# KiCad board panel.kicad_pcb (continued)
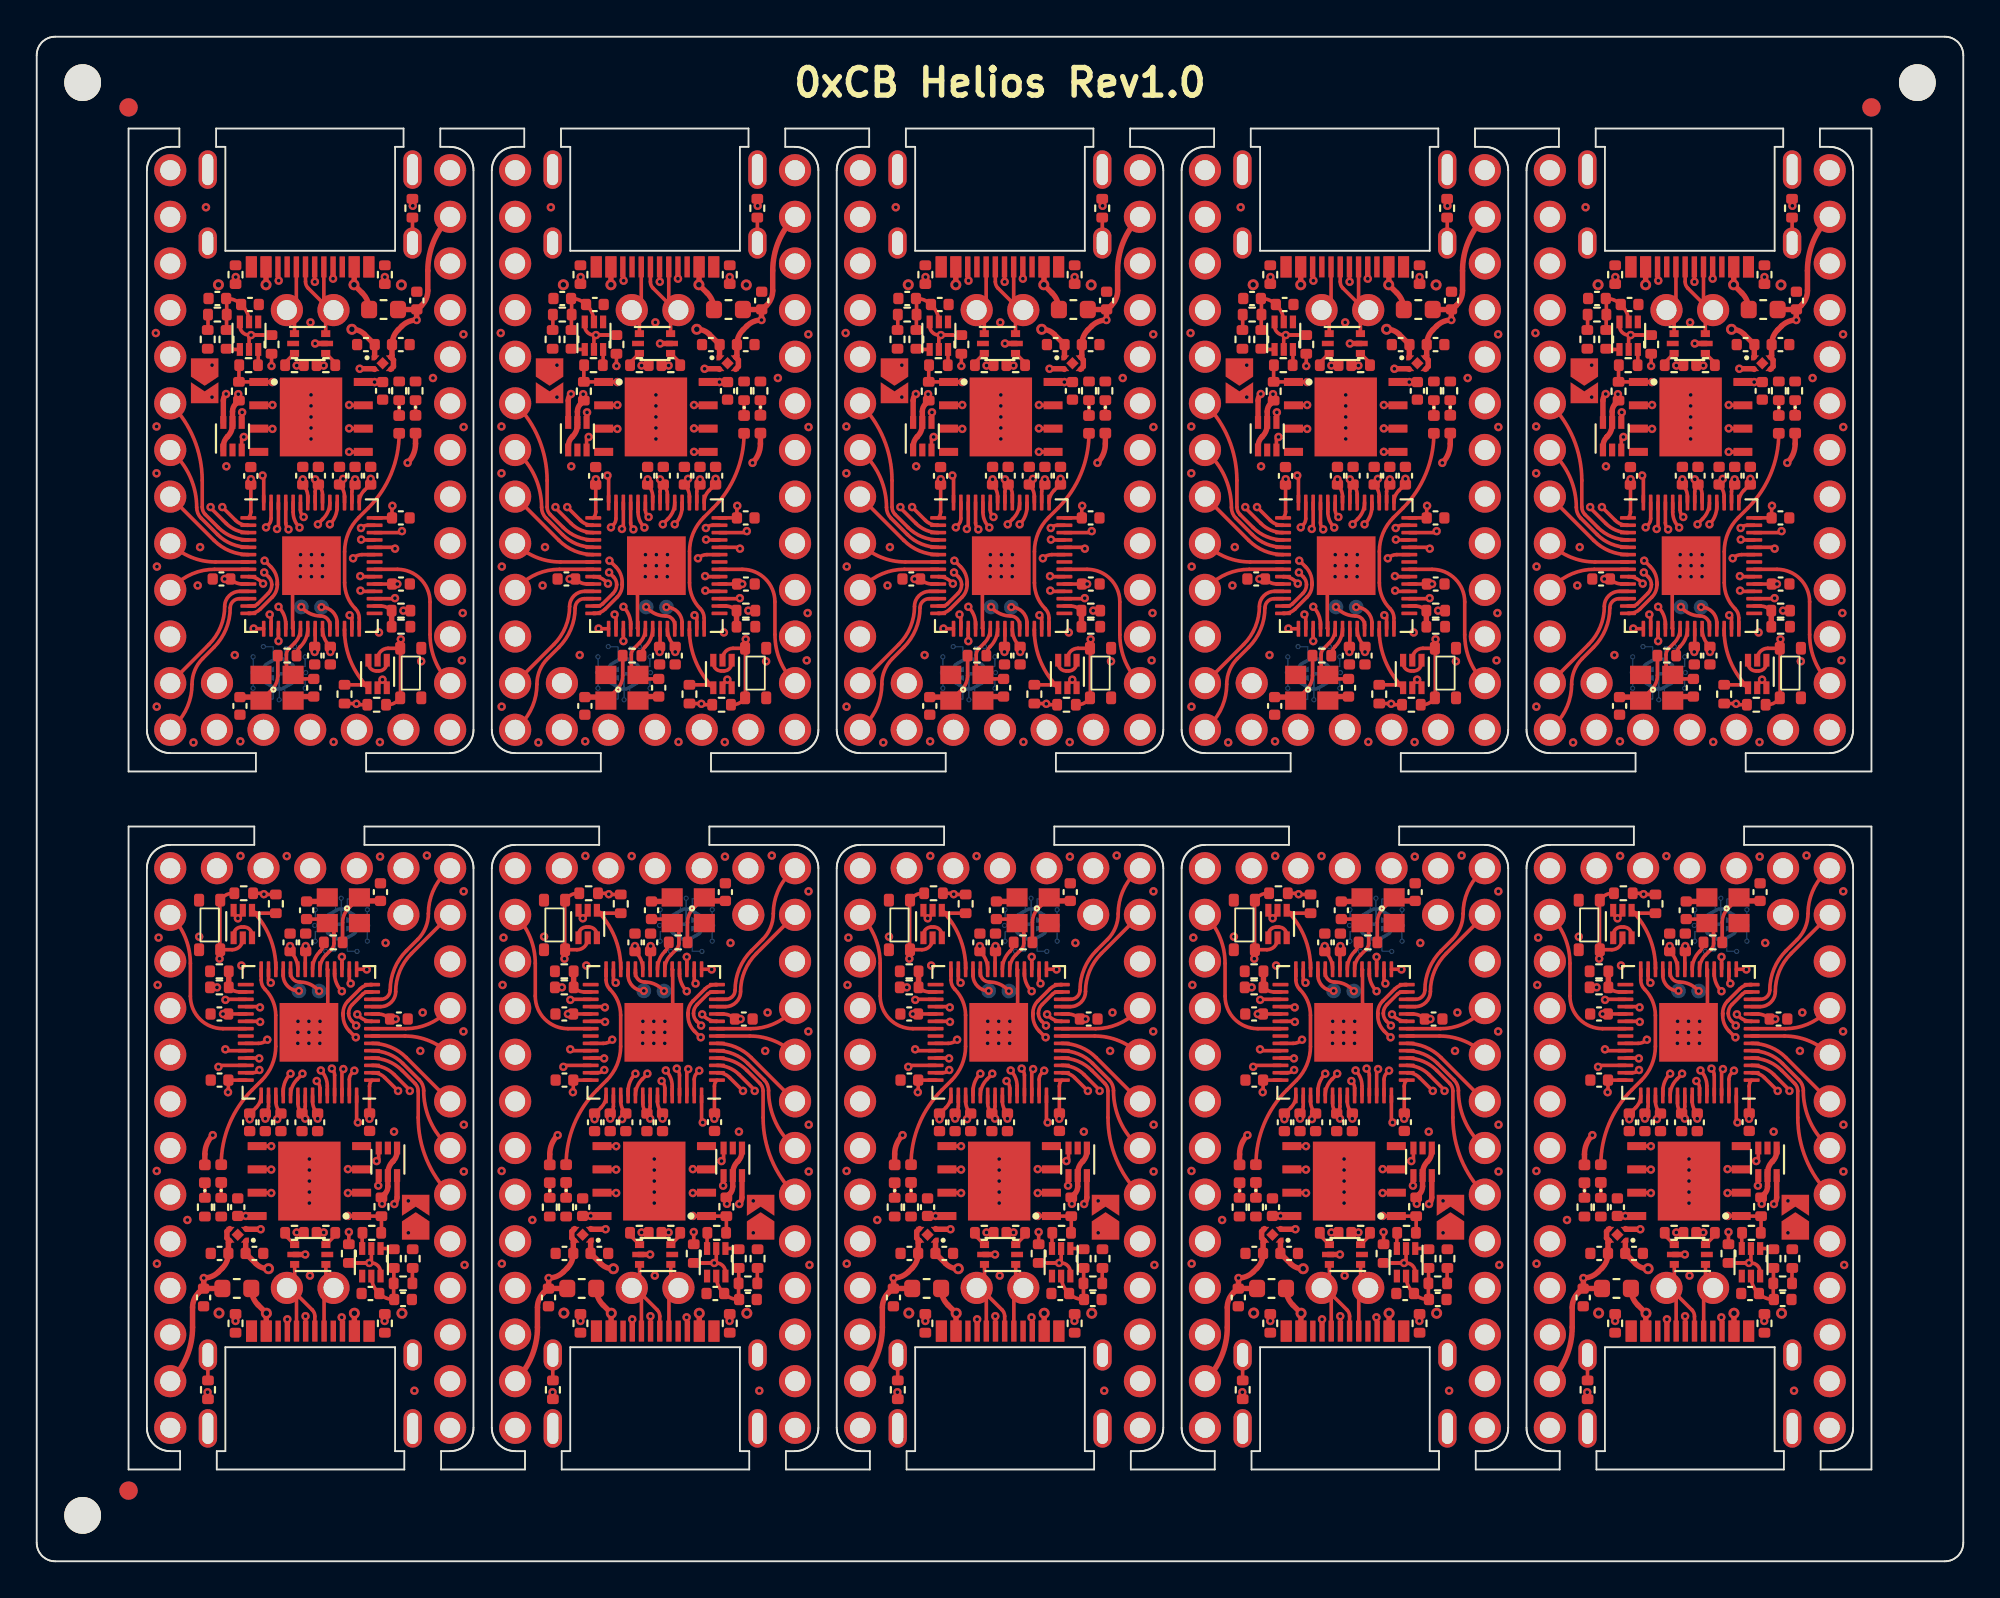
[diagram p0: board, top side]
## Routing (per net, layer and track width the routed paths; a pad name or vN(x,y) marks a point on that pad's centre or on a via; arc(x,y) is an arc through that point) (continued)
Board_6-/RGB_DO: length 15.4
  Top w0.2: U5#10.3 37.4,21.92 v1(37.28,21.8) ; U4#10.37 30.85,28.21 arc(31.11,28.26) v1(31.34,28.41)
  In1.Cu w0.2: v1(37.28,21.8) 38.08,21.8 arc(38.73,22.07) 39.01,22.73 arc(38.86,23.46) 38.44,24.08 37.67,24.86 arc(37.23,25.51) 37.08,26.28 37.08,26.79 arc(36.89,27.25) 36.44,27.44 33.2,27.44 arc(32.38,27.6) 31.68,28.06 v1(31.34,28.41)
Board_6-/RST: length 4.9
  Top w0.2: U4#10.26 31.8,32.32 arc(31.46,34.02) Q1#3.4 30.51,35.45 arc(30.68,35.34) 30.87,35.3 R3#8.2
Board_6-/SWD_CLK: length 2.2
  Top w0.2: v1(34.16,31.06) 34.06,31.15 arc(33.62,31.45) 33.1,31.55 arc(32.75,31.7) 32.6,32.05 U4#10.24
Board_6-/SWD_IO: length 1.7
  Top w0.2: U4#10.25 32.2,31.92 arc(32.45,31.32) v1(33.05,31.07)
Board_6-/USB+: length 0.9
  Top w0.2: R12#2.1 35.03,17.76 U1#10.3
Board_6-/USB-: length 0.9
  Top w0.2: U1#10.4 32.3,17.77 R13#6.1
Board_6-GND: length 7.7
  Top w0.2: U4#10.19 34.63,32.22 34.63,29.84 v1(33.6,28.81) ; Q1#3.3 30.5,34.12 arc(30.37,34.42) 30.07,34.54 29.93,34.54 arc(29.63,34.42) 29.5,34.12 Q1#3.1
  Top w0.3: U2.2 30.2,18.09 v1(30.98,18.09) ; C7#5.1 34.38,35.94 Y1#4.2
  vias: v1(25.31,21.26) v1(25.33,16.21) v1(25.41,33.97) v1(25.37,31.39) v1(26.98,18.59) v1(27.62,34.02) v1(28.09,9.21) v1(29.88,38.42) v1(29.92,32.45) v1(32.4,38.41) v1(33.01,29.41) v1(33,28.81) v1(32.99,28.21) v1(33.6,29.41) v1(33.6,28.21) v1(33.62,21.91) v1(33.62,21.31) v1(33.62,20.71) v1(33.62,20.11) v1(33.62,19.51) v1(33.66,15.56) v1(34.2,29.41) v1(34.2,28.81) v1(34.2,28.21) v1(37.48,38.38) v1(37.77,33.68) v1(39.34,9.29) v1(39.66,27.8) v1(39.8,29.89) v1(40.02,38.44) v1(42.02,36.49) v1(42.02,28.86) v1(42.03,23.78) v1(42.03,21.23) v1(42.08,16.14) v2(28.7,13.52) v2(38.66,13.51)
Board_6-Net-(C1-Pad1): length 3.7
  Top w0.2: 38.23,15.98 38.23,15.15 R5#8.1 38.22,14.29 38.24,14.26 38.21,14.26 arc(37.79,14.34) C2#8.1 37.37,14.65 arc(37.1,15.05) Q2.5
Board_6-Net-(C7-Pad2): length 4.1
  Top w0.2: C7#5.2 34.38,34.98 Y1#4.3 34.82,34.54 arc(34.93,34.38) 34.97,34.19 34.97,33.66 arc(34.93,33.48) 34.83,33.33 34.52,33.02 arc(34.28,32.67) U4#10.20
Board_6-Net-(C8-Pad2): length 4
  Top w0.2: Y1#4.1 35.75,35.56 arc(35.52,35.21) 35.44,34.8 35.44,33.71
  Top w0.3: C8#4.2 36.54,35.97 Y1#4.1
Board_6-Net-(D1-Pad1): length 0.8
  Top w0.2: D1#3.1 R10#7.1
Board_6-Net-(D1-Pad2): length 24.6
  Top w0.2: v1(39.02,19.63) 39.25,19.63 JP1#9.2
  Top w0.3: D1#3.2 27.94,22.17 arc(28.05,22.73) v1(28.37,23.21)
  In1.Cu w0.2: v1(28.37,23.21) 28.39,23.21 31.23,26.05 arc(31.59,26.92) 31.23,27.79 30.99,28.03 arc(30.85,28.39) 30.99,28.74 31.01,28.76 arc(31.36,28.9) 31.72,28.76 32.43,28.05 arc(32.77,27.82) 33.18,27.74 36.46,27.74 arc(37.11,27.46) 37.38,26.81 37.38,26.42 arc(37.54,25.63) 37.99,24.96 38.74,24.21 arc(39.16,23.58) 39.3,22.84 39.3,20.33 arc(39.23,19.95) v1(39.02,19.63)
Board_6-Net-(D2-Pad1): length 0.8
  Top w0.2: D2#3.1 R15.1
Board_6-Net-(FB1-Pad1): length 1.4
  Top w0.2: FB1.1 28.1,9.86 J1#7.S1
Board_6-Net-(J1-PadA5): length 4
  Top w0.2: R7#2.2 v1(29.6,13.09) ; J1#7.A5 v1(32.42,13.18)
  In1.Cu w0.2: v1(29.6,13.09) 29.71,12.99 32.23,12.99 v1(32.42,13.18)
Board_6-Net-(J1-PadB5): length 3.7
  Top w0.2: v1(37.73,13.09) 37.73,13.1 R8#5.2 ; J1#7.B5 35.42,13.25 v1(35.39,13.29)
  In1.Cu w0.2: v1(37.73,13.09) 37.62,12.99 35.69,12.99 v1(35.39,13.29)
Board_6-Net-(Q1-Pad5): length 28.5
  Top w0.2: Q2.6 37.5,15.75 arc(37.35,16.1) 37,16.25 36.25,16.25 ; Q1#3.5 30,35.29 v1(29.73,35.02) 29.5,35.26 Q1#3.6 ; Q2.2 37,16.36 v1(36.89,16.25) 36.25,16.25 ; R2#2.2 36.25,16.25
  In2.Cu w0.2: v1(36.89,16.25) 37.01,16.37 arc(37.12,16.54) 37.16,16.73 37.16,18.81 arc(37.12,19) 37.01,19.16 36.98,19.2 arc(36.85,19.4) 36.8,19.63 36.8,22.2 arc(36.88,22.59) 37.1,22.92 arc(37.37,23.32) 37.46,23.79 37.46,24.77 arc(37.23,25.92) 36.58,26.89 35.33,28.14 arc(35,28.64) 34.88,29.22 34.88,31.62 arc(33.89,34.02) 31.48,35.02 29.74,35.02 v1(29.73,35.02)
Board_6-Net-(Q2-Pad1): length 0.7
  Top w0.2: Q2.1 38.19,17.04 R4#9.1
Board_6-Net-(R5-Pad2): length 0.8
  Top w0.2: 39.25,15.98 39.23,15.96 R5#8.2
Board_6-Net-(R14-Pad2): length 1.6
  Top w0.2: R14.2 arc(34.36,33.45) 34.22,33.23 34.2,33.21 arc(33.9,32.77) U4#10.21
Board_6-VBUS: length 28.7
  Top w0.2: v1(28.59,31.26) R16#7.1
  Top w0.3: J1#7.A4 31.27,13.5 v2(31.28,13.51) 30.84,13.96 arc(30.56,14.37) F1#10.1 ; v2(36.08,13.51) 36.08,12.54
  In2.Cu w0.2: v2(31.28,13.51) arc(28.77,17.27) 27.89,21.7 27.89,29.56 arc(28.07,30.48) v1(28.59,31.26)
  In2.Cu w0.3: v2(36.08,13.51) arc(35.81,12.86) 35.16,12.59 32.2,12.59 arc(31.55,12.86) v2(31.28,13.51)
Board_7-+1V1: length 15.6
  Top w0.2: v1(51.36,33.51) C19.1 51.39,33.2 arc(51.68,32.76) U4#3.23 ; U4#3.50 52.58,25.05 arc(52.65,24.69) C17#8.1 v1(52.86,24.11) ; U4#3.45 50.58,25.05 arc(50.65,24.69) C10.2
  In2.Cu w0.2: 51.78,25.19 v1(52.86,24.11) ; 51.78,25.19 51.75,25.19 v1(50.66,24.09) ; 51.78,25.19 51.36,25.61 arc(50.99,26.16) 50.86,26.82 50.86,32.3 arc(50.98,32.96) v1(51.36,33.51)
Board_7-+3V3: length 20.9
  Top w0.2: R3.1 49.94,36.32 v1(49.93,36.34) 49.88,36.39 R1#4.1 ; U4#3.22 52.18,33.21 C11#8.1 ; U4#3.49 52.18,24.77 arc(52.14,24.58) 52.03,24.42 C14#6.1 ; v1(52.18,24.11) 52,24.29 C14#6.1 ; U3#10.8 48.95,18.81 v1(48.95,18.81) C6#2.1 ; C14#6.1 arc(51.84,24.64) 51.78,24.93 U4#3.48 ; U4#3.44 50.18,24.77 arc(50.14,24.58) 50.03,24.42 C9#8.2 v1(50,24.11) ; 48.97,26.21 C13#5.1 47.99,25.57 v1(47.98,25.55) ; v1(49.16,24.08) 49.16,24.36 49.51,24.71 arc(49.71,25.01) U4#3.43 ; 55.68,24.69 55.68,25.88 arc(55.72,26.06) U4#3.1 ; v1(55.67,24.1) 55.69,24.11 C16#3.1 ; v1(57.11,29.54) C15#6.1 arc(56.5,29.74) 56.14,29.81 U4#3.10 ; v1(47.7,29.81) C12#4.1 48.97,29.81 ; R11#6.1 56.33,19.51 v1(56.36,19.47) ; R2#5.1 v1(54.56,17.94)
  Top w0.3: C5#10.1 49.49,16.21 arc(49.81,16) 50.17,15.93 ; U2#4.1 48.94,16.78 ; R11#6.1 56.51,20 arc(56.63,20.19) 56.68,20.42 U5#5.5 56.68,21.13 arc(56.75,21.48) 56.95,21.78 56.96,21.79 arc(57.12,22.03) 57.18,22.32 U5#5.1
  vias: v1(52.2,33.51) v1(57.02,23.4) v1(57.8,17.89) v2(50.18,15.94)
Board_7-+5V: length 25.3
  Top w0.3: 46.66,14.86 C3#10.1 46.59,14.85 46.38,14.63 arc(46.13,14.26) 46.05,13.83 46.05,12.74 arc(45.73,11.16) J2#10.30 ; 46.66,14.86 F1#9.2 ; 46.66,14.86 v1(46.66,15.43) arc(47.09,15.52) 47.46,15.76 47.66,15.97 arc(47.91,16.34) C4#5.1 47.99,17.38 U2#4.4 47.92,17.6 47.92,17.97 U2#4.3 ; v1(57.03,19.46) 57.03,19.46 arc(57.14,19.63) 57.18,19.82 U5#5.6 ; U1#6.5 v1(52.18,16.71)
  In1.Cu w0.3: v1(46.66,15.43) arc(48.16,16.44) 49.94,16.79 52.1,16.79 v1(52.18,16.71) 52.25,16.79 54.35,16.79 arc(56.25,17.57) v1(57.03,19.46)
Board_7-/0_TX0: length 18.4
  Top w0.2: v1(57.23,25.62) 56.51,26.34 arc(56.22,26.54) 55.87,26.61 U4#3.2
  In1.Cu w0.2: J2#10.2 60.07,10.38 arc(60.03,10.57) 59.92,10.73 59.89,10.77 arc(59,12.1) 58.69,13.68 58.69,22.91 arc(58.5,23.82) 57.99,24.59 57.43,25.15 arc(57.29,25.37) v1(57.23,25.62)
Board_7-/1_RX0: length 16.4
  Top w0.2: v1(57.88,25.62) 57.88,25.66 57.03,26.51 arc(56.47,26.88) U4#3.3
  In1.Cu w0.2: v1(57.88,25.62) 57.88,25.6 arc(57.96,25.16) 58.21,24.8 arc(58.78,23.93) 58.98,22.92 58.98,14.97 arc(59.27,13.55) J2#10.3
Board_7-/2_SDA1: length 9.4
  Top w0.2: U4#3.4 arc(56.7,27.23) 57.45,26.73 58.16,26.03 arc(58.29,25.84) 58.33,25.61 58.33,24.17 arc(58.78,21.9) J2#10.6
Board_7-/3_SCL1: length 7.3
  Top w0.2: J2#10.7 59.82,22.76 arc(58.94,24.08) 58.63,25.64 arc(58.57,25.95) 58.39,26.22 57.49,27.12 arc(56.72,27.63) U4#3.5
Board_7-/4: length 5.4
  Top w0.2: J2#10.8 57.68,27.44 arc(56.83,28.01) U4#3.6
Board_7-/5: length 4.5
  Top w0.2: U4#3.7 57.61,28.61 arc(58.94,28.34) J2#10.9
Board_7-/6: length 4.6
  Top w0.2: J2#10.10 59.86,29.92 arc(58.85,29.25) 57.66,29.01 U4#3.8
Board_7-/7: length 6.9
  Top w0.2: v1(55.02,29.79) 55.12,29.69 arc(55.42,29.48) 55.78,29.41 U4#3.9
  In2.Cu w0.2: v1(55.02,29.79) 56.36,31.13 arc(58.06,32.27) J2#10.11
Board_7-/8: length 7
  Top w0.2: J2#10.12 57.96,33.1 arc(57.33,32.15) 57.11,31.03 arc(56.86,30.45) 56.28,30.21 U4#3.11
Board_7-/9: length 8.9
  Top w0.2: U4#3.12 56.31,30.61 arc(56.66,30.76) 56.81,31.11 arc(57.04,32.27) 57.7,33.26 58.3,33.87 arc(58.73,34.51) 58.89,35.27 arc(59.12,36.47) 59.8,37.48 J2#10.13
Board_7-/10: length 26.5
  Top w0.2: U4#3.13 55.59,31.01 arc(55.44,30.98) 55.31,30.89 54.74,30.32 arc(54.59,30.1) 54.54,29.84 arc(54.59,29.61) 54.72,29.42 v1(54.95,29.18)
  In2.Cu w0.2: v1(54.95,29.18) 54.99,29.18 58.27,25.9 arc(58.68,25.28) 58.83,24.56 58.83,10.28 arc(59.15,8.65) J2#10.1
Board_7-/11: length 38
  Top w0.2: v1(54.94,28.54) 54.92,28.54 54.6,28.87 arc(54.33,29.26) 54.24,29.73 54.24,29.86 arc(54.31,30.22) 54.52,30.53 55.17,31.18 arc(55.43,31.35) 55.73,31.41 U4#3.14
  In1.Cu w0.2: v1(54.94,28.54) 54.94,28.35 arc(55.03,28.13) 55.25,28.04 arc(56.11,27.68) 56.46,26.82 56.46,26.59 arc(56.63,25.76) 57.1,25.06 57.76,24.4 arc(58.22,23.7) 58.39,22.88 58.39,14.39 arc(57.83,13.06) 56.5,12.51 47.22,12.51 arc(46.39,12.17) 46.05,11.33 46.05,10.2 arc(45.73,8.62) J2#10.31
Board_7-/12: length 6.6
  Top w0.2: v1(55.53,32.23) 55.52,32.25 U4#3.15
  In1.Cu w0.2: v1(55.53,32.23) 55.53,32.92 arc(56.05,35.53) J2#10.14
Board_7-/13: length 7.2
  Top w0.2: v1(54.66,31.47) 54.58,31.55 U4#3.16
  In1.Cu w0.2: J2#10.15 54.99,32.28 arc(54.9,31.84) v1(54.66,31.47)
Board_7-/14: length 6
  Top w0.2: U4#3.17 54.18,32.92 v1(54.17,32.92)
  In1.Cu w0.2: v1(54.17,32.92) 54.17,33.59 arc(53.73,35.84) J2#10.16
Board_7-/15: length 9.5
  Top w0.2: U4#3.18 53.78,32 arc(53.88,31.49) v1(54.17,31.05)
  In1.Cu w0.2: J2#10.17 52.45,35.21 arc(53.28,33.96) 53.58,32.5 arc(53.73,31.71) v1(54.17,31.05)
Board_7-/16: length 7.9
  Top w0.2: v1(50.31,31.51) 50.18,31.64 U4#3.27
  In1.Cu w0.2: J2#10.18 47.97,37.15 arc(49.7,34.56) v1(50.31,31.51)
Board_7-/20_SDI: length 4.9
  Top w0.2: v1(47.84,30.58) 47.87,30.61 U4#3.31
  In1.Cu w0.2: J2#10.21 46.27,31.23 arc(46.99,30.75) v1(47.84,30.58)
Board_7-/21_CS: length 10.1
  Top w0.2: v1(49.72,30.17) 49.67,30.21 U4#3.32
  In1.Cu w0.2: J2#10.19 47.73,34.85 arc(49.03,33.02) 49.66,30.88 49.66,30.22 v1(49.72,30.17)
Board_7-/22_SCK: length 5.9
  Top w0.2: U4#3.34 49.69,29.41 v1(49.72,29.38)
  In1.Cu w0.2: v1(49.72,29.38) 49.68,29.34 46.75,29.34 arc(45.71,29.54) J2#10.22
Board_7-/23_SDO: length 8.7
  Top w0.2: U4#3.35 47.7,29.01 arc(46.45,29.53) 45.92,30.79 45.92,32.57 arc(45.64,34) J2#10.20
Board_7-/A0: length 4.2
  Top w0.2: U4#3.38 47.91,27.81 v1(47.83,27.89)
  In1.Cu w0.2: v1(47.83,27.89) 45.54,27.89 arc(45.16,27.81) J2#10.23
Board_7-/A1: length 6.5
  Top w0.2: U4#3.39 49.66,27.41 v1(49.67,27.39)
  In1.Cu w0.2: v1(49.67,27.39) 49.65,27.41 47.56,27.41 arc(47.22,27.34) 46.93,27.15 J2#10.24
Board_7-/A2: length 6.8
  Top w0.2: v1(47.45,26.93) 47.53,27.01 U4#3.40
  In1.Cu w0.2: J2#10.25 46.19,23.87 arc(47.13,25.27) v1(47.45,26.93)
Board_7-/A3: length 9.4
  Top w0.2: v1(49.69,26.76) 49.68,26.76 arc(49.52,26.65) 49.33,26.61 U4#3.41
  In1.Cu w0.2: J2#10.26 45.7,20.84 arc(45.99,21.28) 46.09,21.8 arc(46.32,22.91) 46.94,23.85 49.69,26.59 v1(49.69,26.76)
Board_7-/BOOT: length 0.7
  Top w0.2: 55.28,17.76 Q2#3.3
Board_7-/D+: length 11.1
  Top w0.2: R12#3.2 53.17,17.89 v1(53.19,17.91) ; v1(52.03,26.56) 52.03,26.54 51.75,26.26 arc(51.48,25.85) U4#3.47
  In1.Cu w0.2: v1(53.19,17.91) 53.2,17.93 53.2,17.98 52.2,18.99 arc(51.83,19.54) 51.71,20.18 51.71,25.76 arc(51.79,26.18) 52.03,26.54 v1(52.03,26.56)
Board_7-/D-: length 11.2
  Top w0.2: R13#7.2 51.73,17.89 v1(51.72,17.91) ; U4#3.46 50.98,25.59 arc(51.08,26.12) v1(51.38,26.56)
  In1.Cu w0.2: v1(51.72,17.91) 51.55,18.08 arc(51.42,18.26) 51.38,18.48 arc(51.42,18.59) 51.53,18.64 51.72,18.64 arc(51.82,18.68) 51.87,18.79 arc(51.82,18.89) 51.72,18.94 51.53,18.94 arc(51.42,18.98) 51.38,19.09 v1(51.38,26.56)
Board_7-/LED: length 11.7
  Top w0.2: U4#3.28 49.78,31.66 arc(49.83,31.39) 49.99,31.16 arc(50.42,30.51) 50.58,29.74 50.58,28.04 arc(50.38,27.04) 49.81,26.19 49.29,25.68 arc(48.04,23.81) D2#5.2
Board_7-/PORT+: length 7.1
  Top w0.2: v1(52.19,13.35) 52.2,13.34 J1#4.A6 ; J1#4.B6 53.2,14.38 J2#10.34 53.31,15.31 U1#6.1
  In1.Cu w0.2: J2#10.34 53.56,14.89 52.19,13.53 v1(52.19,13.35)
Board_7-/PORT-: length 7.1
  Top w0.2: J2#10.33 51.61,15.32 U1#6.6 ; J2#10.33 51.7,14.37 J1#4.B7 ; J2#10.33 51.36,14.89 52.56,13.7 arc(52.67,13.53) 52.7,13.34 J1#4.A7
Board_7-/QSPI_CLK: length 11.3
  Top w0.2: U4#3.52 53.38,25.89 arc(53.29,26.35) v1(53.03,26.73) ; U3#10.6 50.32,21.35 v1(50.33,21.34)
  In2.Cu w0.2: v1(53.03,26.73) 53.03,26.64 arc(53.49,25.94) 53.66,25.13 53.66,23.85 arc(53.48,23.43) 53.06,23.26 50.36,23.26 arc(50,23.11) 49.86,22.76 49.86,22.48 arc(49.98,21.86) v1(50.33,21.34)
Board_7-/QSPI_CS: length 9.6
  Top w0.2: v1(55.05,23.9) 54.98,23.97 54.98,25.35 ; R9#9.1 56.33,17.91 R11#6.2 55.25,18.8 U3#10.1 54.51,18.81 v1(54.5,18.81)
  In2.Cu w0.2: v1(55.05,23.9) arc(55.22,23.64) 55.28,23.34 55.28,20.68 arc(55.08,19.67) v1(54.5,18.81)
Board_7-/QSPI_SD0: length 11.3
  Top w0.2: v1(50.33,22.61) 50.33,22.62 U3#10.5 ; U4#3.53 53.78,26.48 arc(53.74,26.67) 53.63,26.83 v1(53.63,26.84)
  In2.Cu w0.2: v1(53.63,26.84) 53.63,26.76 arc(53.87,26.4) 53.95,25.98 53.95,23.8 arc(53.71,23.21) 53.12,22.96 52.28,22.96 arc(52.18,22.92) 52.14,22.81 52.14,22.56 arc(52.09,22.45) 51.98,22.41 arc(51.88,22.45) 51.83,22.56 51.83,22.81 arc(51.79,22.92) 51.69,22.96 arc(51.58,22.92) 51.53,22.81 51.53,22.56 arc(51.49,22.45) 51.39,22.41 arc(51.28,22.45) 51.23,22.56 51.23,22.81 arc(51.19,22.92) 51.08,22.96 arc(50.71,22.89) 50.39,22.67 v1(50.33,22.61)
Board_7-/QSPI_SD1: length 11.4
  Top w0.2: v1(54.5,20.06) 54.52,20.08 U3#10.2 ; U4#3.55 54.58,26.24 arc(54.62,26.43) 54.73,26.6 v1(54.86,26.72)
  In2.Cu w0.2: v1(54.86,26.72) 54.69,26.56 arc(54.59,26.41) 54.56,26.24 arc(54.6,26.13) 54.7,26.09 54.81,26.09 arc(54.91,26.05) 54.95,25.94 arc(54.91,25.83) 54.81,25.79 54.7,25.79 arc(54.6,25.75) 54.56,25.64 arc(54.6,25.53) 54.7,25.49 54.81,25.49 arc(54.91,25.45) 54.95,25.34 arc(54.91,25.23) 54.81,25.19 54.7,25.19 arc(54.6,25.15) 54.56,25.04 arc(54.6,24.93) 54.7,24.89 54.81,24.89 arc(54.91,24.85) 54.95,24.74 arc(54.91,24.63) 54.81,24.59 54.7,24.59 arc(54.6,24.55) 54.56,24.44 54.56,23.88 arc(54.59,23.69) 54.7,23.53 54.83,23.4 arc(54.94,23.23) 54.98,23.04 54.98,22.7 arc(54.94,22.6) 54.83,22.55 54.73,22.55 arc(54.62,22.51) 54.58,22.4 arc(54.62,22.3) 54.73,22.25 54.83,22.25 arc(54.94,22.21) 54.98,22.1 54.98,21.2 arc(54.86,20.59) v1(54.5,20.06)
Board_7-/QSPI_SD2: length 11.3
  Top w0.2: v1(54.5,21.36) 54.52,21.35 U3#10.3 ; v1(54.25,26.81) 54.18,26.73 U4#3.54
  In2.Cu w0.2: v1(54.25,26.81) 54.25,22.81 arc(54.21,22.7) 54.11,22.66 53.41,22.66 arc(53.3,22.62) 53.25,22.51 arc(53.3,22.4) 53.41,22.36 54.11,22.36 arc(54.21,22.32) 54.25,22.21 arc(54.21,22.1) 54.11,22.06 53.41,22.06 arc(53.3,22.02) 53.25,21.91 arc(53.3,21.8) 53.41,21.76 54.11,21.76 arc(54.21,21.72) 54.25,21.61 v1(54.5,21.36)
Board_7-/QSPI_SD3: length 11.4
  Top w0.2: U4#3.51 52.98,25.78 arc(52.94,25.97) 52.83,26.13 v1(52.81,26.16) ; v1(50.33,20.06) 50.31,20.08 U3#10.7
  In2.Cu w0.2: v1(52.81,26.16) arc(53.21,25.55) 53.35,24.84 53.35,23.91 arc(53.26,23.68) 53.02,23.58 50.34,23.58 arc(49.76,23.34) 49.52,22.76 49.52,22.03 arc(49.73,20.96) v1(50.33,20.06)
Board_7-/RESET: length 24.4
  Top w0.2: v1(47.52,32.82) 47.53,32.84 47.53,33.31 ; 47.53,33.31 48.2,33.31 arc(48.61,33.48) 48.78,33.89 Q1#7.2 ; 47.53,33.31 47.53,35.8 arc(47.57,35.99) 47.68,36.16 arc(47.93,36.33) 48.23,36.39 R1#4.2
  In2.Cu w0.2: J2#10.28 arc(45.97,16.6) 46.37,18.61 46.37,30.06 arc(46.67,31.55) v1(47.52,32.82)
Board_7-/RGB_5V: length 17.5
  Top w0.2: U5#5.4 56.18,20.48 v1(56.16,20.46)
  In2.Cu w0.2: J2#10.32 arc(57.22,33.66) 56.34,32.34 54.43,30.44 arc(54.08,29.92) 53.96,29.31 arc(54.07,28.76) 54.38,28.29 55.65,27.02 arc(56.31,26.04) 56.54,24.88 56.54,21.39 arc(56.44,20.89) v1(56.16,20.46)
Board_7-/RGB_DO: length 15.4
  Top w0.2: v1(56.06,21.8) 56.18,21.92 U5#5.3 ; U4#3.37 49.63,28.21 arc(49.89,28.26) v1(50.11,28.41)
  In1.Cu w0.2: v1(56.06,21.8) 56.86,21.8 arc(57.51,22.07) 57.78,22.73 arc(57.64,23.46) 57.22,24.08 56.45,24.86 arc(56.01,25.51) 55.86,26.28 55.86,26.79 arc(55.67,27.25) 55.22,27.44 51.98,27.44 arc(51.16,27.6) 50.46,28.06 v1(50.11,28.41)
Board_7-/RST: length 4.9
  Top w0.2: R3.2 49.65,35.3 arc(49.46,35.34) 49.29,35.45 Q1#7.4 arc(50.24,34.02) 50.58,32.32 U4#3.26
Board_7-/SWD_CLK: length 2.2
  Top w0.2: v1(52.94,31.06) 52.84,31.15 arc(52.4,31.45) 51.88,31.55 arc(51.53,31.7) 51.38,32.05 U4#3.24
Board_7-/SWD_IO: length 1.7
  Top w0.2: U4#3.25 50.98,31.92 arc(51.23,31.32) v1(51.83,31.07)
Board_7-/USB+: length 0.9
  Top w0.2: U1#6.3 53.81,17.76 R12#3.1
Board_7-/USB-: length 0.9
  Top w0.2: R13#7.1 51.08,17.77 U1#6.4
Board_7-GND: length 7.7
  Top w0.2: v1(52.38,28.81) 53.41,29.84 53.41,32.22 U4#3.19 ; Q1#7.3 49.28,34.12 arc(49.15,34.42) 48.85,34.54 48.71,34.54 arc(48.41,34.42) 48.28,34.12 Q1#7.1
  Top w0.3: v1(49.75,18.09) 48.98,18.09 U2#4.2 ; C7#7.1 53.16,35.94 Y1#7.2
  vias: v1(44.15,31.39) v1(44.09,21.26) v1(44.1,16.21) v1(44.2,33.97) v1(45.77,18.59) v1(46.41,34.02) v1(46.87,9.21) v1(48.66,38.42) v1(48.7,32.45) v1(51.17,38.41) v1(51.78,29.41) v1(51.78,28.81) v1(51.78,28.21) v1(52.38,29.41) v1(52.38,28.21) v1(52.41,21.91) v1(52.41,21.31) v1(52.41,20.71) v1(52.41,20.11) v1(52.41,19.51) v1(52.44,15.56) v1(52.98,29.41) v1(52.98,28.81) v1(52.97,28.21) v1(56.25,38.38) v1(56.56,33.68) v1(58.12,9.29) v1(58.44,27.8) v1(58.58,29.89) v1(58.81,38.44) v1(60.81,36.49) v1(60.8,28.86) v1(60.81,23.78) v1(60.81,21.23) v1(60.86,16.14) v2(47.48,13.52) v2(57.44,13.51)
Board_7-Net-(C1-Pad1): length 3.7
  Top w0.2: 57,15.98 57,15.15 57,15.14 57,14.29 C1.1 56.99,14.26 arc(56.57,14.34) C2#7.1 56.15,14.65 arc(55.88,15.05) Q2#3.5
Board_7-Net-(C7-Pad2): length 4.1
  Top w0.2: C7#7.2 53.16,34.98 Y1#7.3 53.6,34.54 arc(53.71,34.38) 53.75,34.19 53.75,33.66 arc(53.71,33.48) 53.61,33.33 53.3,33.02 arc(53.06,32.67) U4#3.20
Board_7-Net-(C8-Pad2): length 4
  Top w0.2: Y1#7.1 54.53,35.56 arc(54.3,35.21) 54.22,34.8 R14#5.1
  Top w0.3: Y1#7.1 55.32,35.97 C8.2
Board_7-Net-(D1-Pad1): length 0.8
  Top w0.2: D1#2.1 R10#2.1
Board_7-Net-(D1-Pad2): length 24.6
  Top w0.2: v1(57.8,19.63) 58.03,19.63 JP1#8.2
  Top w0.3: D1#2.2 46.72,22.17 arc(46.83,22.73) v1(47.15,23.21)
  In1.Cu w0.2: v1(47.15,23.21) 47.17,23.21 50.01,26.05 arc(50.37,26.92) 50.01,27.79 49.77,28.03 arc(49.63,28.39) 49.77,28.74 49.79,28.76 arc(50.14,28.9) 50.5,28.76 51.21,28.05 arc(51.55,27.82) 51.96,27.74 55.24,27.74 arc(55.89,27.46) 56.16,26.81 56.16,26.42 arc(56.32,25.63) 56.77,24.96 57.52,24.21 arc(57.94,23.58) 58.08,22.84 58.08,20.33 arc(58.01,19.95) v1(57.8,19.63)
Board_7-Net-(D2-Pad1): length 0.8
  Top w0.2: D2#5.1 R15#4.1
Board_7-Net-(FB1-Pad1): length 1.4
  Top w0.2: FB1#4.1 46.88,9.86 J1#4.S1
Board_7-Net-(J1-PadA5): length 4
  Top w0.2: J1#4.A5 v1(51.2,13.18) ; R7.2 v1(48.38,13.09)
  In1.Cu w0.2: v1(51.2,13.18) 51.01,12.99 48.49,12.99 v1(48.38,13.09)
Board_7-Net-(J1-PadB5): length 3.7
  Top w0.2: R8#3.2 56.52,13.1 v1(56.5,13.09) ; v1(54.17,13.29) 54.2,13.25 J1#4.B5
  In1.Cu w0.2: v1(54.17,13.29) 54.47,12.99 56.4,12.99 v1(56.5,13.09)
Board_7-Net-(Q1-Pad5): length 28.5
  Top w0.2: 55.03,16.25 55.78,16.25 arc(56.13,16.1) 56.28,15.75 Q2#3.6 ; 55.03,16.25 R2#5.2 ; 55.03,16.25 v1(55.67,16.25) 55.78,16.36 Q2#3.2 ; Q1#7.5 48.78,35.29 v1(48.52,35.02) 48.28,35.26 Q1#7.6
  In2.Cu w0.2: v1(55.67,16.25) 55.79,16.37 arc(55.9,16.54) 55.94,16.73 55.94,18.81 arc(55.9,19) 55.79,19.16 55.76,19.2 arc(55.63,19.4) 55.58,19.63 55.58,22.2 arc(55.66,22.59) 55.88,22.92 arc(56.15,23.32) 56.24,23.79 56.24,24.77 arc(56.01,25.92) 55.36,26.89 54.11,28.14 arc(53.78,28.64) 53.66,29.22 53.66,31.62 arc(52.67,34.02) 50.26,35.02 48.52,35.02 v1(48.52,35.02)
Board_7-Net-(Q2-Pad1): length 0.7
  Top w0.2: Q2#3.1 56.97,17.04 R4.1
Board_7-Net-(R5-Pad2): length 0.8
  Top w0.2: R5#2.2 58.02,15.96 58.03,15.98
Board_7-Net-(R14-Pad2): length 1.6
  Top w0.2: U4#3.21 arc(52.68,32.77) 52.98,33.21 53,33.23 arc(53.14,33.45) R14#5.2
Board_7-VBUS: length 28.7
  Top w0.2: v1(47.38,31.26) R16#6.1
  Top w0.3: v2(54.86,13.51) J1#4.A9 ; 50.06,12.54 50.06,13.5 v2(50.06,13.51) 49.62,13.96 arc(49.34,14.37) F1#9.1
  In2.Cu w0.2: v2(50.06,13.51) arc(47.55,17.27) 46.67,21.7 46.67,29.56 arc(46.85,30.48) v1(47.38,31.26)
  In2.Cu w0.3: v2(54.86,13.51) arc(54.59,12.86) 53.94,12.59 50.98,12.59 arc(50.33,12.86) v2(50.06,13.51)
Board_8-+1V1: length 15.6
  Top w0.2: U4#4.50 71.36,25.05 arc(71.43,24.69) C17#9.1 v1(71.64,24.11) ; U4#4.45 69.36,25.05 arc(69.43,24.69) C10#8.2 ; v1(70.14,33.51) C19#9.1 70.17,33.2 arc(70.46,32.76) U4#4.23
  In2.Cu w0.2: 70.56,25.19 70.53,25.19 v1(69.44,24.09) ; 70.56,25.19 v1(71.64,24.11) ; 70.56,25.19 70.14,25.61 arc(69.77,26.16) 69.64,26.82 69.64,32.3 arc(69.76,32.96) v1(70.14,33.51)
Board_8-+3V3: length 20.9
  Top w0.2: U3#4.8 67.73,18.81 v1(67.72,18.81) C6#4.1 ; v1(70.96,24.11) 70.78,24.29 C14#3.1 ; R3#10.1 68.72,36.32 v1(68.71,36.34) 68.66,36.39 R1#5.1 ; 67.75,29.81 C12.1 v1(66.48,29.81) ; R11#4.1 75.11,19.51 v1(75.14,19.47) ; v1(68.78,24.11) C9#2.2 68.81,24.42 arc(68.92,24.58) 68.96,24.77 U4#4.44 ; v1(74.45,24.1) 74.47,24.11 C16#4.1 ; v1(75.89,29.54) C15#9.1 arc(75.28,29.74) 74.92,29.81 U4#4.10 ; 67.75,26.21 C13#6.1 66.78,25.57 v1(66.75,25.55) ; 74.46,24.69 74.46,25.88 arc(74.5,26.06) U4#4.1 ; C14#3.1 70.81,24.42 arc(70.92,24.58) 70.96,24.77 U4#4.49 ; C14#3.1 arc(70.62,24.64) 70.56,24.93 U4#4.48 ; v1(67.94,24.08) 67.94,24.36 68.29,24.71 arc(68.49,25.01) U4#4.43 ; C11.1 70.96,33.21 U4#4.22 ; R2#10.1 v1(73.33,17.94)
  Top w0.3: R11#4.1 75.29,20 arc(75.41,20.19) 75.46,20.42 U5#2.5 75.46,21.13 arc(75.53,21.48) 75.73,21.78 75.74,21.79 arc(75.9,22.03) 75.96,22.32 U5#2.1 ; 67.72,16.77 68.27,16.21 arc(68.59,16) 68.95,15.93 ; U2#10.1 67.72,16.78
  vias: v1(70.98,33.51) v1(75.8,23.4) v1(76.58,17.89) v2(68.96,15.94)
Board_8-+5V: length 25.3
  Top w0.3: U1#9.5 v1(70.96,16.71) ; F1#5.2 65.44,14.86 ; 65.44,14.86 v1(65.44,15.43) arc(65.87,15.52) 66.24,15.76 66.44,15.97 arc(66.69,16.34) C4#2.1 66.78,17.38 U2#10.4 66.7,17.6 66.7,17.97 U2#10.3 ; 65.44,14.86 C3#8.1 65.38,14.85 65.16,14.63 arc(64.91,14.26) 64.83,13.83 64.83,12.74 arc(64.51,11.16) J2#2.30 ; U5#2.6 75.96,19.82 arc(75.92,19.63) 75.81,19.46 v1(75.81,19.46)
  In1.Cu w0.3: v1(75.81,19.46) arc(75.03,17.57) 73.13,16.79 71.03,16.79 v1(70.96,16.71) 70.88,16.79 68.72,16.79 arc(66.94,16.44) v1(65.44,15.43)
Board_8-/0_TX0: length 18.4
  Top w0.2: U4#4.2 74.65,26.61 arc(75,26.54) 75.29,26.34 v1(76.02,25.62)
  In1.Cu w0.2: J2#2.2 78.85,10.38 arc(78.81,10.57) 78.7,10.73 78.67,10.77 arc(77.78,12.1) 77.47,13.68 77.47,22.91 arc(77.28,23.82) 76.77,24.59 76.21,25.15 arc(76.07,25.37) v1(76.02,25.62)
Board_8-/1_RX0: length 16.4
  Top w0.2: v1(76.66,25.62) 76.66,25.66 75.81,26.51 arc(75.25,26.88) U4#4.3
  In1.Cu w0.2: v1(76.66,25.62) 76.66,25.6 arc(76.74,25.16) 76.99,24.8 arc(77.56,23.93) 77.77,22.92 77.77,14.97 arc(78.05,13.55) J2#2.3
Board_8-/2_SDA1: length 9.4
  Top w0.2: U4#4.4 arc(75.48,27.23) 76.23,26.73 76.94,26.03 arc(77.07,25.84) 77.11,25.61 77.11,24.17 arc(77.56,21.9) J2#2.6
Board_8-/3_SCL1: length 7.3
  Top w0.2: J2#2.7 78.6,22.76 arc(77.72,24.08) 77.41,25.64 arc(77.35,25.95) 77.17,26.22 76.27,27.12 arc(75.5,27.63) U4#4.5
Board_8-/4: length 5.4
  Top w0.2: J2#2.8 76.46,27.44 arc(75.61,28.01) U4#4.6
Board_8-/5: length 4.5
  Top w0.2: U4#4.7 76.39,28.61 arc(77.72,28.34) J2#2.9
Board_8-/6: length 4.6
  Top w0.2: U4#4.8 76.44,29.01 arc(77.63,29.25) 78.64,29.92 J2#2.10
Board_8-/7: length 6.9
  Top w0.2: v1(73.8,29.79) 73.9,29.69 arc(74.2,29.48) 74.56,29.41 U4#4.9
  In2.Cu w0.2: v1(73.8,29.79) 75.14,31.13 arc(76.84,32.27) J2#2.11
Board_8-/8: length 7
  Top w0.2: J2#2.12 76.74,33.1 arc(76.11,32.15) 75.89,31.03 arc(75.64,30.45) 75.06,30.21 U4#4.11
Board_8-/9: length 8.9
  Top w0.2: J2#2.13 78.58,37.48 arc(77.9,36.47) 77.67,35.27 arc(77.51,34.51) 77.08,33.87 76.48,33.26 arc(75.82,32.27) 75.58,31.11 arc(75.44,30.76) 75.08,30.61 U4#4.12
Board_8-/10: length 26.5
  Top w0.2: U4#4.13 74.37,31.01 arc(74.22,30.98) 74.09,30.89 73.52,30.32 arc(73.37,30.1) 73.32,29.84 arc(73.37,29.61) 73.5,29.42 v1(73.73,29.18)
  In2.Cu w0.2: v1(73.73,29.18) 73.77,29.18 77.05,25.9 arc(77.46,25.28) 77.61,24.56 77.61,10.28 arc(77.93,8.65) J2#2.1
Board_8-/11: length 38
  Top w0.2: U4#4.14 74.51,31.41 arc(74.21,31.35) 73.95,31.18 73.3,30.53 arc(73.09,30.22) 73.02,29.86 73.02,29.73 arc(73.11,29.26) 73.38,28.87 73.7,28.54 v1(73.72,28.54)
  In1.Cu w0.2: v1(73.72,28.54) 73.72,28.35 arc(73.81,28.13) 74.03,28.04 arc(74.89,27.68) 75.24,26.82 75.24,26.59 arc(75.41,25.76) 75.88,25.06 76.54,24.4 arc(77,23.7) 77.17,22.88 77.17,14.39 arc(76.61,13.06) 75.28,12.51 66,12.51 arc(65.17,12.17) 64.83,11.33 64.83,10.2 arc(64.51,8.62) J2#2.31
Board_8-/12: length 6.6
  Top w0.2: U4#4.15 74.3,32.25 v1(74.31,32.23)
  In1.Cu w0.2: v1(74.31,32.23) 74.31,32.92 arc(74.83,35.53) J2#2.14
Board_8-/13: length 7.2
  Top w0.2: v1(73.44,31.47) 73.36,31.55 U4#4.16
  In1.Cu w0.2: J2#2.15 73.77,32.28 arc(73.68,31.84) v1(73.44,31.47)
Board_8-/14: length 6
  Top w0.2: U4#4.17 72.96,32.92 v1(72.95,32.92)
  In1.Cu w0.2: v1(72.95,32.92) 72.95,33.59 arc(72.51,35.84) J2#2.16
Board_8-/15: length 9.5
  Top w0.2: U4#4.18 72.56,32 arc(72.66,31.49) v1(72.95,31.05)
  In1.Cu w0.2: J2#2.17 71.23,35.21 arc(72.06,33.96) 72.36,32.5 arc(72.51,31.71) v1(72.95,31.05)
